# Altium PCB F407.PcbDoc (part 1 of 3)
Units mil, origin at the board's own origin, x right, y up, seen from the top; angles counter-clockwise.
Board outline 3789 x 2423 mil, 2 copper layers (Top Layer, Bottom Layer); 112 components, 163 nets, 540 pads, 276 vias.
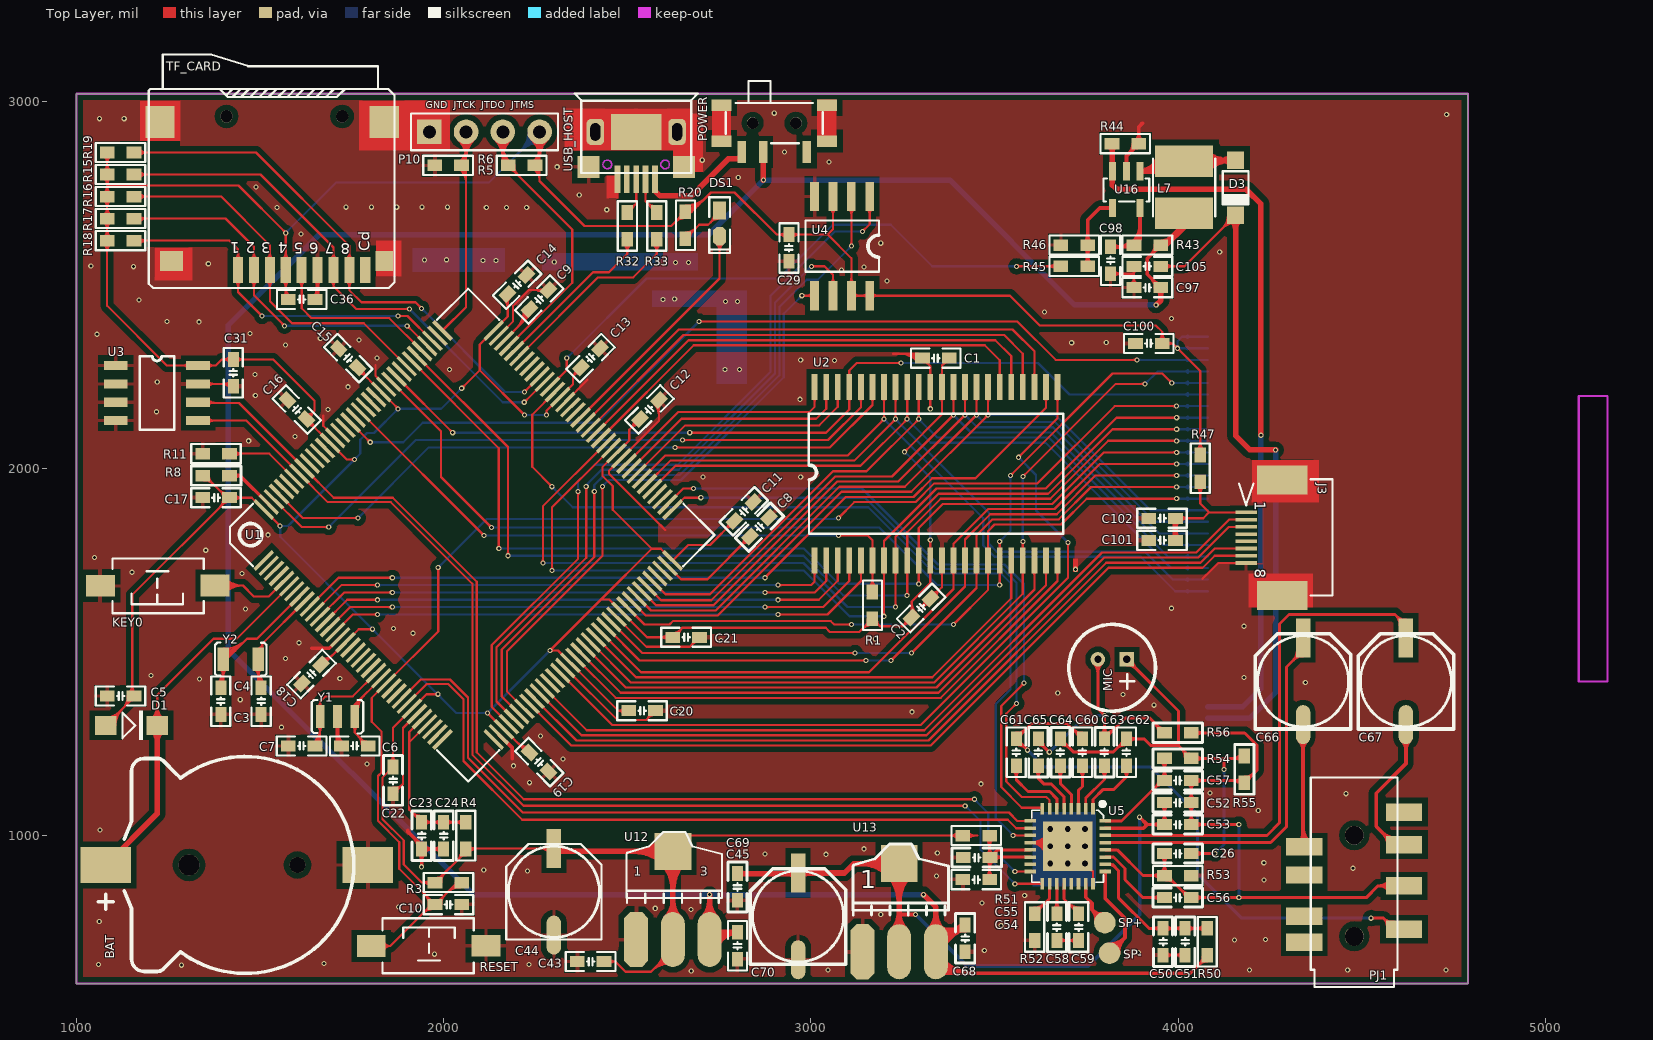
[diagram p0: Top Layer view]
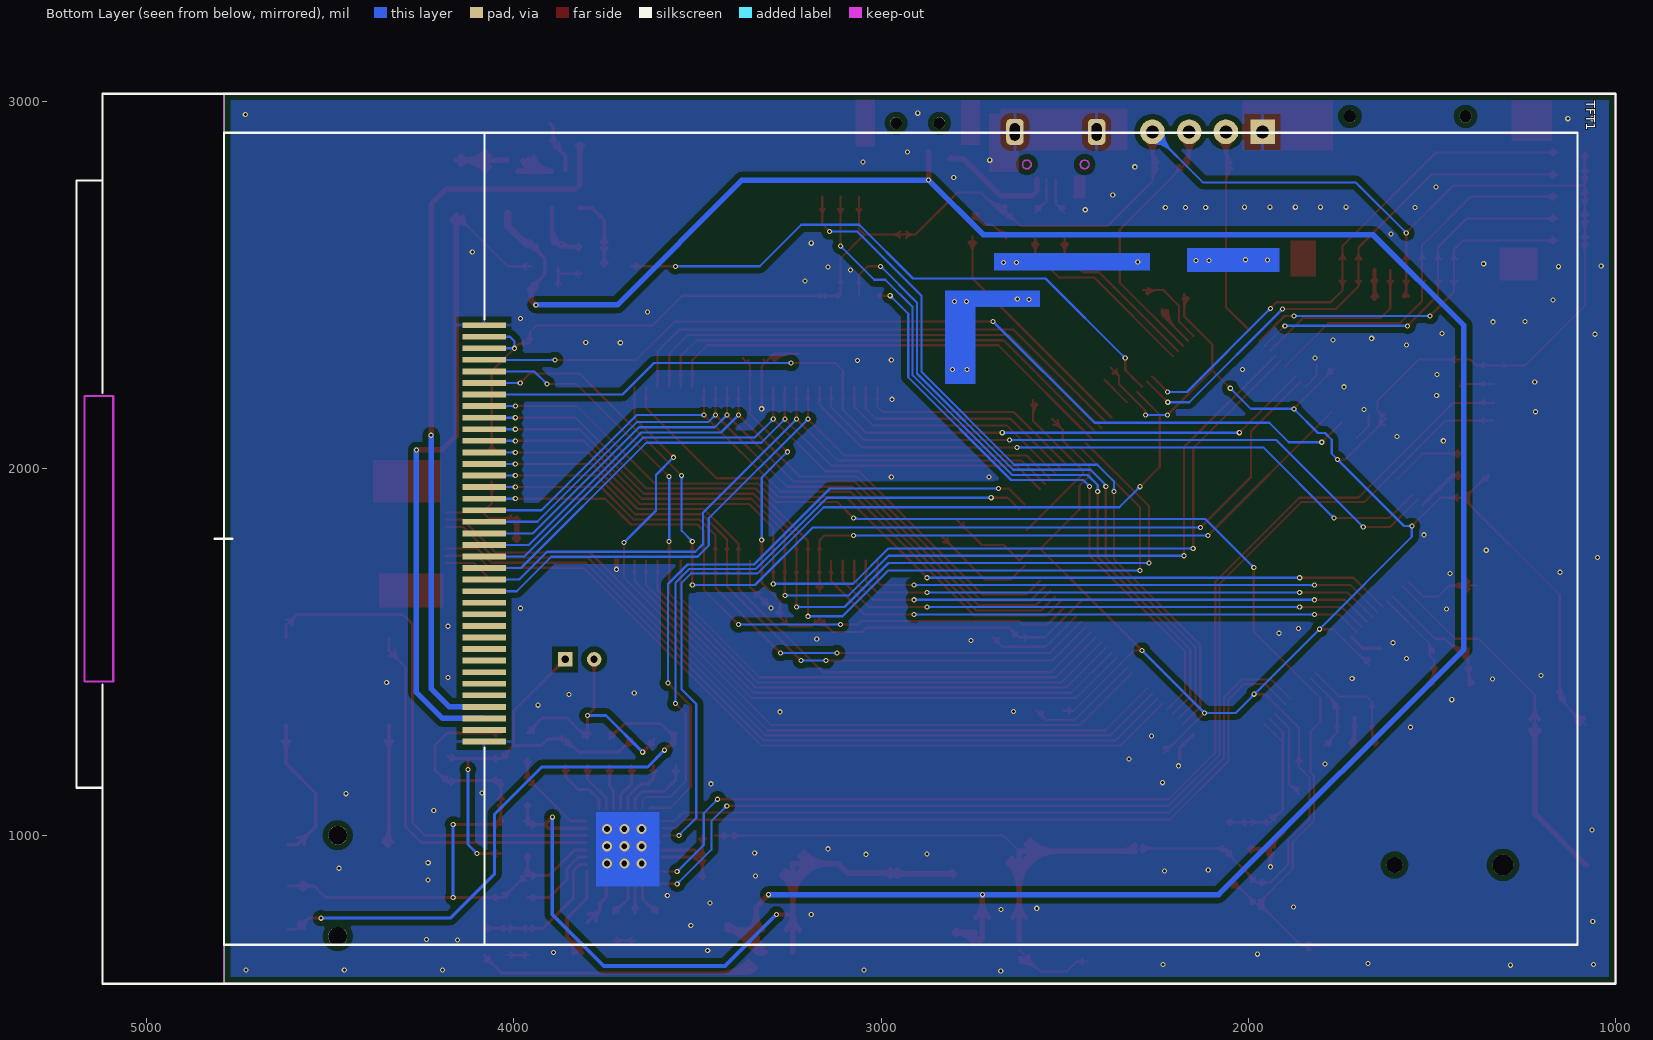
[diagram p1: Bottom Layer view, seen from below]

## Layer stack, top to bottom
Top Layer: signal copper 1.4
Dielectric: dielectric 12.6, FR-4, Dk 4.8
Bottom Layer: signal copper 1.4

## Board outline
1000,597 1000,3020 4789,3020 4789,597

## Design rules (kind name [scope] priority, off if disabled: settings)
Clearance [All] p1: gap=6
ComponentClearance [All] p1 off: gap=10 collisioncheckmode=3 verticalgap=10 showdistances=FALSE
HoleSize [All] p1: absolutevalues=TRUE maxlimit=200 minlimit=1 maxpercent=80.000 minpercent=20.000
MinimumSolderMaskSliver [All] p1: minsoldermaskwidth=0
PolygonConnect [All] p1: connectstyle=Relief reliefconductorwidth=10 reliefentries=4 polygonreliefangle="90 Angle"
RoutingVias [All] p1: holewidth=8 width=14 viastyle="Through Hole" minholewidth=8 minwidth=14 maxholewidth=48 maxwidth=54
ShortCircuit [All] p1: allowed=TRUE
SilkToSilkClearance [All] p1: silktosilkclearance=0
SilkscreenOverComponentPads [All] p1 off: minsilkscreentomaskgap=0
SolderMaskExpansion [All] p1: expansion=4
TestPointUsage FabricationTestPointUsage [All] p1: valid=0 allowmultiple=FALSE
Testpoint FabricationTestpoint [All] p1: side=3 testpointundercomponent=TRUE minsize=40 maxsize=100 preferedsize=60 minholesize=0 maxholesize=40 preferedholesize=32 testpointgrid=1 style=297 order=0123456789
Width [All] p1: maxlimit=50 minlimit=6 preferedwidth=10 toplayer_prefwidth=6 bottomlayer_prefwidth=6 minimp=50.000000 maximp=50.000000 favimp=50.000000
18 further rules are at their usual default settings.

## Components (designator, comment, footprint, x,y, rotation, side; value= is the part's Value field where it differs from the comment)
BAT "1220" CR1220_B 1460,920 r180 top
C1 "104" "C 0603_M" 3340,2300 r0 top
C2 "104" "C 0603_M" 3300,1620 r225 top
C3 "10" "C 0603_M" 1393,1366 r90 top
C4 "10" "C 0603_M" 1503,1366 r270 top
C5 "104" "C 0603_M" 1120,1380 r0 top
C6 "22" "C 0603_M" 1758,1244 r0 top
C7 "22" "C 0603_M" 1613,1244 r0 top
C8 "225" "C 0603_M" 2860,1840 r45 top
C9 "225" "C 0603_M" 2260,2460 r45 top
C10 "104" "C 0603_M" 2013,812 r180 top
C11 "104" "C 0603_M" 2817,1883 r225 top
C12 "104" "C 0603_M" 2560,2160 r225 top
C13 "104" "C 0603_M" 2400,2300 r225 top
C14 "104" "C 0603_M" 2200,2500 r225 top
C15 "104" "C 0603_M" 1740,2300 r315 top
C16 "104" "C 0603_M" 1600,2160 r315 top
C17 "104" "C 0603_M" 1380,1920 r0 top
C18 "104" "C 0603_M" 1640,1440 r45 top
C19 "104" "C 0603_M" 2260,1200 r135 top
C20 "104" "C 0603_M" 2540,1340 r180 top
C21 "104" "C 0603_M" 2660,1540 r180 top
C22 "104" "C 0603_M" 1862,1150 r90 top
C23 "104" "C 0603_M" 1940,1000 r90 top
C24 "10uF" "C 0603_M" 2000,1000 r90 top
C26 "221" "C 0603_M" 3999,951 r0 top
C29 "104" "C 0603_M" 2940,2600 r270 top
C31 "104" "C 0603_M" 1427,2260 r270 top
C36 "104" "C 0603_M" 1613.23,2460 r0 top
C43 "104" "C 0603_M" 2400,657 r0 top
C44 "220uF" "CT 6*6 - C" 2300,847 r90 top
C45 "104" "C 0603_M" 2800,700 r90 top
C50 "104" "C 0603_M" 3959,711 r90 top
C51 "10uF" "C 0603_M" 4019,711 r90 top
C52 "104" "C 0603_M" 3999,1090 r0 top
C53 "10uF" "C 0603_M" 3999,1030 r0 top
C54 "104" "C 0603_M" 3450,880 r0 top
C55 "10uF" "C 0603_M" 3451,940 r0 top
C56 "10uF" "C 0603_M" 3999,831 r180 top
C57 "10uF" "C 0603_M" 3999,1150 r180 top
C58 "104" "C 0603_M" 3669.47,751 r270 top
C59 "104" "C 0603_M" 3729,751 r270 top
C60 "1uF" "C 0603_M" 3739,1227 r90 top
C61 "1uF" "C 0603_M" 3559,1227 r90 top
C62 "1uF" "C 0603_M" 3859,1227 r90 top
C63 "1uF" "C 0603_M" 3799,1227 r90 top
C64 "1uF" "C 0603_M" 3679,1227 r90 top
C65 "1uF" "C 0603_M" 3619,1227 r90 top
C66 "220uF" "CT 6*6 - C" 4340,1420 r90 top
C67 "220uF" "CT 6*6 - C" 4620,1420 r90 top
C68 "104" "C 0603_M" 3420,720 r90 top
C69 "104" "C 0603_M" 2800,860 r90 top
C70 "220uF" "CT 6*6 - C" 2965,780 r90 top
C97 "10uF" "C 0603_M" 3916,2492 r0 top
C98 "1uF" "C 0603_M" 3816,2566.5 r90 top
C100 "104" "C 0603_M" 3920,2340 r0 top
C101 "104" "C 0603_M" 3956,1804 r0 top
C102 "10uF" "C 0603_M" 3956,1864 r0 top
C105 "1uF" "C 0603_M" 3916,2550 r180 top
D1 "1N4148" DIODE_SOP 1080,1300 r0 top
D3 "MBR0520" SOD-123 4156,2764 r90 top
DS1 "LED1" "LED 0603R" 2750.94,2667 r270 top
J3 "FPC-8P-0.5" FPC-8P 4185,1880 r270 top
KEY0 "KEY_M" "TSW SMD-3*6*2.5" 1220,1680 r180 top
L7 "4.7uH" L_SOP4 4016,2844 r270 top
MIC "MIC" MIC-6022 3860,1480 r180 top
P10 "Header 4" HDR2.54-LI-4P 2111,2916 r0 top
PJ1 "PJ393" PJ393 4480,880 r270 top
POWER "BUTTON_DIP3" MSK-12C01-07 2900,2940 r180 top
R1 "10K" "R 0603_M" 3167.46,1627 r270 top
R3 "10K" "R 0603_M" 2013,872 r180 top
R4 "10R" "R 0603_M" 2060,1000 r270 top
R5 "10K" "R 0603_M" 2212,2825 r0 top
R6 "10K" "R 0603_M" 2012,2825 r180 top
R8 "0R" "R 0603_M" 1380,1980 r0 top
R11 "10K" "R 0603_M" 1380,2040 r180 top
R15 "47K" "R 0603_M" 1120,2800 r180 top
R16 "47K" "R 0603_M" 1120,2740 r180 top
R17 "47K" "R 0603_M" 1120,2680 r180 top
R18 "47K" "R 0603_M" 1120,2620 r180 top
R19 "47K" "R 0603_M" 1120,2860 r180 top
R20 "510" "R 0603_M" 2658.22,2662 r270 top
R32 "10R" "R 0603_M" 2500,2660 r270 top
R33 "10R" "R 0603_M" 2580,2660 r270 top
R43 "0R" "R 0603_M" 3916,2608 r0 top
R44 "10R" "R 0603_M" 3856,2884 r180 top
R45 "10K" "R 0603_M" 3717,2550 r180 top
R46 "100K" "R 0603_M" 3717,2608 r180 top
R47 "10R" "R 0603_M" 4060,2000 r90 top
R50 "0R" "R 0603_M" 4079,711 r270 top
R51 "10R" "R 0603_M" 3450,1000 r180 top
R52 "10K" "R 0603_M" 3609,751 r90 top
R53 "0R" "R 0603_M" 3999,891 r180 top
R54 "680" "R 0603_M" 3999,1210 r0 top
R55 "47K" "R 0603_M" 4180,1180 r90 top
R56 "0R" "R 0603_M" 3999,1280 r180 top
RESET "KEY_M" "TSW SMD-3*6*2.5" 1960,700 r0 top
SP+ "SPK+" TP-1.5#1 3800,760 r270 bottom
SP- "SPK-" TP-1.5#2 3820,680 r90 bottom
TF_CARD "SD-MICRO-TF" SD-MICRO-TF 1440,2540 r180 top
TFT1 "TFT4.3'" TFT4.3' 5120,3020 r270 bottom locked
U1 "STM32F407ZET6" LQFP144 1510,1749 r45 top locked
U2 "IS62WV51216" TSOP44 3010,1749 r90 top locked
U3 "24C02" SOP-8 1107,2280 r0 top
U4 "W25Q128" SOIC-8 3160,2740 r270 top
U5 "WM8978" qfn32 3699,971 r270 top
U12 "AMS1117-3.3" AMS1117 2524,717 r0 top
U13 "AMS1117-3.3" AMS1117 3140,683.8 r0 top
U16 "MP3302DJ" SOT-23-5 3796,2744 r270 top
USB_HOST "J-MICRO-USB-5S" USB-AB-5S 2413,2916 r0 top
Y1 "8MHz" Y-XTAL-3215-3P 1758,1324 r180 top
Y2 "32.768K" Y-XTAL-3215-2P 1400,1480 r0 top

## Footprints (in the part's own frame and the unit in brackets; to place one, negate y for a bottom-side part, rotate by r counter-clockwise, add the part's x,y. Pads: shape width x height; smd on the part's side, far side on the other; paste and mask are expansions set on the pad)
AMS1117 [mil]
  oct 65x150 smd: 1(0.03,-0.06)
  oval 65x150 smd: 2(100.03,-0.06) 3(200.03,-0.06)
  rect 100x100 smd: 4(100.03,239.94)
  silkscreen extent -26,100 234,293
"C 0603_M" [mil] "无极性贴片电容"
  rect 40x30 smd: 1(-36.5,0) 2(36.5,0)
  silkscreen extent -67,-26 68,26, body extent -31,-16 31,16, height 32
CR1220_B [mm]
  round 1.1 hole 1.1: 0(-3.6,0)
  round 1.45 hole 1.45: 0(3.9,0)
  rect 3.5x2.5 smd: 1(9.652,0) 2(-8.458,0)
  silkscreen extent -7.5,-7.5 10.16,7.5, body extent -9.42,-7.45 10.34,7.45, height 4.05
"CT 6*6 - C" [mm] "直径6mm，高6mm"
  rect 2.7x1 smd: 1(3,0)
  oval 2.7x1 smd: 2(-3,0)
  silkscreen extent -3.3,-3.3 3.3,3.3, body extent -3.5,-3.15 3.5,3.15, height 6
DIODE_SOP [mm]
  rect 1.5x1.3 smd: 1(0,0) 2(3.556,0)
  silkscreen extent 1.14,-1.02 2.56,1.02
FPC-8P [mm]
  rect 0.25x1.5 smd: 1(0,0) 2(0.5,0) 3(1,0) 4(1.5,0) 5(2,0) 6(2.5,0) 7(3,0) 8(3.5,0)
  rect 2x3.5 smd: 9(-2.25,2.5) 10(5.75,2.5)
  silkscreen extent -2.29,-0.5 5.75,5.97
HDR2.54-LI-4P [mm] "排针，4脚"
  rect 1.7x1.7 hole 0.9: 1(-3.81,0)
  round 1.7 hole 0.9: 2(-1.27,0) 3(1.27,0) 4(3.81,0)
  silkscreen extent -5.08,-1.27 5.08,1.27, body extent -5.08,-1.27 5.08,1.27, height 8.5
L_SOP4 [mm]
  rect 2.2x4 smd: 1(0.2,0) 2(3.8,0)
  silkscreen extent 0,-2.15 4,2.15
"LED 0603R" [mil] "红色0603LED"
  rect 50x35 smd: 1(-35,0.26)
  oct 50x35 smd: 2(35,0.26)
  silkscreen extent -71,-28 81,28, body extent -31,-16 31,16, height 24
LQFP144 [mil]
  rect 70.87x10 smd: 1(-0.36,0.02) 2(-0.35,-19.66) 3(-0.35,-39.35) 4(-0.35,-59.03) 5(-0.35,-78.72) 6(-0.35,-98.4) 7(-0.35,-118.09) 8(-0.35,-137.77) 9(-0.35,-157.46) 10(-0.35,-177.14) 11(-0.35,-196.83) 12(-0.36,-216.51) 13(-0.35,-236.2) 14(-0.35,-255.88) 15(-0.35,-275.57) 16(-0.35,-295.25) 17(-0.35,-314.94) 18(-0.35,-334.62) 19(-0.35,-354.31) 20(-0.35,-373.99) 21(-0.36,-393.68) 22(-0.35,-413.36) 23(-0.35,-433.05) 24(-0.35,-452.73) 25(-0.35,-472.42) 26(-0.35,-492.1) 27(-0.35,-511.79) 28(-0.35,-531.47) 29(-0.35,-551.16) 30(-0.35,-570.84) 31(-0.35,-590.53) 32(-0.36,-610.21) 33(-0.35,-629.9) 34(-0.35,-649.58) 35(-0.35,-669.27) 36(-0.35,-688.95) 73(885.47,-688.95) 74(885.47,-669.27) 75(885.47,-649.58) 76(885.47,-629.9) 77(885.47,-610.21) 78(885.47,-590.53) 79(885.47,-570.84) 80(885.47,-551.16) 81(885.47,-531.47) 82(885.47,-511.79) 83(885.47,-492.1) 84(885.47,-472.42) 85(885.47,-452.73) 86(885.47,-433.05) 87(885.47,-413.36) 88(885.47,-393.68) 89(885.47,-373.99) 90(885.47,-354.31) 91(885.47,-334.62) 92(885.47,-314.94) 93(885.47,-295.25) 94(885.47,-275.57) 95(885.47,-255.88) 96(885.47,-236.2) 97(885.47,-216.51) 98(885.47,-196.83) 99(885.47,-177.14) 100(885.47,-157.46) 101(885.47,-137.77) 102(885.47,-118.09) 103(885.47,-98.4) 104(885.47,-78.72) 105(885.47,-59.03) 106(885.47,-39.35) 107(885.47,-19.66) 108(885.47,0.02)
  rect 10x70.87 smd: 37(98.07,-787.37) 38(117.76,-787.38) 39(137.44,-787.38) 40(157.13,-787.38) 41(176.81,-787.38) 42(196.5,-787.38) 43(216.18,-787.38) 44(235.87,-787.38) 45(255.55,-787.38) 46(275.24,-787.38) 47(294.92,-787.37) 48(314.61,-787.37) 49(334.29,-787.38) 50(353.98,-787.38) 51(373.66,-787.38) 52(393.35,-787.38) 53(413.03,-787.38) 54(432.72,-787.38) 55(452.4,-787.38) 56(472.09,-787.38) 57(491.77,-787.37) 58(511.46,-787.37) 59(531.14,-787.38) 60(550.83,-787.38) 61(570.51,-787.38) 62(590.2,-787.38) 63(609.88,-787.38) 64(629.57,-787.38) 65(649.25,-787.38) 66(668.94,-787.38) 67(688.62,-787.37) 68(708.31,-787.37) 69(727.99,-787.38) 70(747.68,-787.38) 71(767.36,-787.38) 72(787.05,-787.38) 109(787.05,98.45) 110(767.36,98.45) 111(747.68,98.45) 112(727.99,98.45) 113(708.31,98.45) 114(688.62,98.45) 115(668.94,98.45) 116(649.25,98.45) 117(629.57,98.45) 118(609.88,98.45) 119(590.2,98.45) 120(570.51,98.45) 121(550.83,98.45) 122(531.14,98.45) 123(511.46,98.45) 124(491.77,98.45) 125(472.09,98.45) 126(452.4,98.45) 127(432.72,98.45) 128(413.03,98.45) 129(393.35,98.45) 130(373.66,98.45) 131(353.98,98.45) 132(334.29,98.45) 133(314.61,98.45) 134(294.92,98.45) 135(275.24,98.45) 136(255.55,98.45) 137(235.87,98.45) 138(216.18,98.45) 139(196.5,98.45) 140(176.81,98.45) 141(157.13,98.45) 142(137.44,98.45) 143(117.76,98.45) 144(98.07,98.45)
  silkscreen extent -32,-819 917,130
MIC-6022 [mm]
  rect 1x1 hole 0.5: 1(0,0)
  round 1 hole 0.5: 2(2,0)
  silkscreen extent -1.99,-2.41 4.01,3.58
MSK-12C01-07 [mm] "6.7*2.8*1.5mm(长宽高）"
  rect 1.4x0.8 smd: 0(-3.65,-1.25) 0(-3.65,1.25) 0(3.65,-1.25) 0(3.65,1.25)
  rect 0.6x1.5 smd: 1(-2.25,1.996) 2(0.75,1.996) 3(2.25,1.996)
  round 0.8 hole 0.8: " "(-1.5,0) " "(1.5,0)
  silkscreen extent -3.35,-2.92 3.35,1.4, body extent -3.92,-2.9 3.92,2.4, height 1.5
PJ393 [mm]
  rect 1.2x2.5 smd: 1(3.429,3.429) 2(-2.271,-3.471) 3(-2.421,3.429) 4(0.429,3.429) 5(-4.671,3.429) 6(-0.321,-3.471) 7(2.529,-3.471) 8(4.329,-3.471)
  round 1.3 hole 1.3 unplated: ""(-3.071,-0.021) ""(3.929,-0.021)
  silkscreen extent -7.07,-3.02 7.43,2.98
qfn32 [mm]
  rect 0.8x0.25 smd: 1(-2.601,1.75) 2(-2.601,1.25) 3(-2.601,0.75) 4(-2.601,0.25) 5(-2.601,-0.25) 6(-2.601,-0.75) 7(-2.601,-1.25) 8(-2.601,-1.75) 17(2.601,-1.75) 18(2.601,-1.25) 19(2.601,-0.75) 20(2.601,-0.25) 21(2.601,0.25) 22(2.601,0.75) 23(2.601,1.25) 24(2.601,1.75)
  rect 0.25x0.8 smd: 9(-1.75,-2.601) 10(-1.25,-2.601) 11(-0.75,-2.601) 12(-0.25,-2.601) 13(0.25,-2.601) 14(0.75,-2.601) 15(1.25,-2.601) 16(1.75,-2.601) 25(1.75,2.601) 26(1.25,2.601) 27(0.75,2.601) 28(0.25,2.601) 29(-0.25,2.601) 30(-0.75,2.601) 31(-1.25,2.601) 32(-1.75,2.601)
  rect 3.4x3.4 smd: 33(0,0)
  silkscreen extent -3.06,-2.49 2.49,2.55
"R 0603_M" [mil] "1/10W贴片电阻"
  rect 40x31.5 smd: 1(-36.5,0) 2(36.5,0)
  silkscreen extent -68,-26 67,26, body extent -31,-16 31,16, height 16
SD-MICRO-TF [mm]
  rect 2.032x2.2 smd: 0(-10.1,-10.227) 0(5.4,-10.227)
  rect 1.2x1.4 smd: 0(-10.1,-0.627)
  round 0.85 hole 0.85 unplated: 0(-7.2,-10.627) 0(0.8,-10.627)
  rect 1.6x1.4 smd: 0(4.6,-0.627)
  rect 0.7x1.8 smd: 1(0,0) 2(-1.1,0) 3(-2.2,0) 4(-3.3,0) 5(-4.4,0) 6(-5.5,0) 7(-6.6,0) 8(-7.7,0) 9(-8.8,0)
  silkscreen extent -10.82,-14.91 6.17,1.25, body extent -10.37,-14.85 5.9,0.34, height 1.8
SOD-123 [mm]
  rect 1.2x1.2 smd: 1(1.905,0) 2(-1.905,0)
  silkscreen extent -1.14,-0.89 1.14,0.89
SOIC-8 [mil]
  rect 80x24 smd: 1(0,0) 2(0,-50.06) 3(0,-100.06) 4(0,-150.06) 5(270,-150) 6(270,-100) 7(270,-50) 8(270,0)
  silkscreen extent 65,-175 205,25
SOP-8 [mil]
  rect 65x25 smd: 1(0,0) 2(0,-50) 3(0,-100) 4(0,-150) 5(224.41,-150) 6(224.41,-100) 7(224.41,-50) 8(224.41,0)
  silkscreen extent 65,-175 159,25
SOT-23-5 [mil]
  rect 50x20 smd: 1(-65,100) 2(-65,63) 3(-65,25) 4(35,25) 5(35,100)
  silkscreen extent -65,1 18,135
TFT4.3' [mm]
  rect 0.4x3 smd: 1(16.006,26.396) 2(16.806,26.396) 3(17.606,26.396) 4(18.406,26.396) 5(19.206,26.396) 6(20.006,26.396) 7(20.806,26.396) 8(21.606,26.396) 9(22.406,26.396) 10(23.206,26.396) 11(24.006,26.396) 12(24.806,26.396) 13(25.606,26.396) 14(26.406,26.396) 15(27.206,26.396) 16(28.006,26.396) 17(28.806,26.396) 18(29.606,26.396) 19(30.406,26.396) 20(31.206,26.396) 21(32.006,26.396) 22(32.806,26.396) 23(33.606,26.396) 24(34.406,26.396) 25(35.206,26.396) 26(36.006,26.396) 27(36.806,26.396) 28(37.606,26.396) 29(38.406,26.396) 30(39.206,26.396) 31(40.006,26.396) 32(40.806,26.396) 33(41.606,26.396) 34(42.406,26.396) 35(43.206,26.396) 36(44.006,26.396) 37(44.806,26.396)
  Keep-Out Layer lines w0.152: 40.66,0.75 40.66,-1.25 20.9,-1.25 20.9,0.75 40.66,0.75
  silkscreen extent 0,-1.8 61.56,104.65
TP-1.5#1 [mm]
  round 1.5 smd far side: 1(-0.076,0)
TP-1.5#2 [mm]
  round 1.5 smd far side: 1(0,-0.178)
TSOP44 [mm]
  rect 1.8x0.4 smd: 1(-0.009,0.001) 2(-0.009,-0.799) 3(-0.009,-1.599) 4(-0.009,-2.399) 5(-0.009,-3.199) 6(-0.009,-3.999) 7(-0.009,-4.799) 8(-0.009,-5.599) 9(-0.009,-6.399) 10(-0.009,-7.199) 11(-0.009,-7.999) 12(-0.009,-8.799) 13(-0.009,-9.599) 14(-0.009,-10.399) 15(-0.009,-11.199) 16(-0.009,-11.999) 17(-0.009,-12.799) 18(-0.009,-13.599) 19(-0.009,-14.399) 20(-0.009,-15.199) 21(-0.009,-15.999) 22(-0.009,-16.799) 23(11.991,-16.799) 24(11.991,-15.999) 25(11.991,-15.199) 26(11.991,-14.399) 27(11.991,-13.599) 28(11.991,-12.799) 29(11.991,-11.999) 30(11.991,-11.199) 31(11.991,-10.399) 32(11.991,-9.599) 33(11.991,-8.799) 34(11.991,-7.999) 35(11.991,-7.199) 36(11.991,-6.399) 37(11.991,-5.599) 38(11.991,-4.799) 39(11.991,-3.999) 40(11.991,-3.199) 41(11.991,-2.399) 42(11.991,-1.599) 43(11.991,-0.799) 44(11.991,0.001)
  silkscreen extent 1.83,-17.2 10.16,0.4
"TSW SMD-3*6*2.5" [mm] "3*6*2.5mm"
  rect 2x1.5 smd: 1(-3.996,-0.02) 2(3.937,0)
  silkscreen extent -3.21,-1.9 3.09,1.9, body extent -4,-1.88 4,1.62, height 2.59
USB-AB-5S [mm]
  rect 0.4x1.9 smd: 1(4.125,-3.286) 2(3.475,-3.286) 3(2.825,-3.286) 4(2.175,-3.286) 5(1.525,-3.286)
  rrect50% 1.2x1.8 hole 0.7 slot 1.2 at 90 deg: 6(5.65,0) 7(0,0)
  rect 1.5x1.5 smd: 8(-0.477,-2.422) 9(6.127,-2.422)
  rect 3.5x2.5 smd: 9(2.825,-0.009)
  Keep-Out Layer circle w0.102: c0.825,-2.25 r0.3
  Keep-Out Layer circle w0.102: c4.825,-2.25 r0.3
  silkscreen extent -1.44,-2.85 7.09,2.66, body extent -1.12,-2.92 6.88,2.68, height 2.8
Y-XTAL-3215-2P [mm]
  rect 0.8x1.6 smd: 1(0,0) 2(2.4,0)
  silkscreen extent -0.58,-1.14 2.98,1.17, body extent -0.4,-0.75 2.8,0.75, height 0.81
Y-XTAL-3215-3P [mm]
  rect 0.6x1.6 smd: 1(0,0) 2(1.2,0) 3(2.4,0)
  silkscreen extent -0.58,-1.14 2.98,1.17, body extent -0.35,-0.75 2.85,0.75, height 0.81

## Part data
BAT: library part CR-3V, "微型电池"
C1 C2 C3 C4 C5 C6 C7 C8 C9 C10 C11 C12 C13 C14 C15 C16 C17 C18 C19 C20 C21 C22 C23 C24 C26 C29 C31 C36 C43 C45 C50 C51 C52 C53 C54 C55 C56 C57 C58 C59 C60 C61 C62 C63 C64 C65 C68 C69 C97 C98 C100 C101 C102 C105: library part C
C44 C66 C67 C70: library part CAP
D1: library part D
D3: library part D, "1N4148"
DS1: library part LED2, "Typical RED, GREEN, YELLOW, AMBER GaAs LED"
J3: library part FPC-8, "FPC-8P-0.5mm"
L7: library part L
P10: "Header, 4-Pin"
POWER: "拨动开关SS-12F44"
R1 R3 R4 R5 R6 R8 R11 R15 R16 R17 R18 R19 R20 R32 R33 R43 R44 R45 R46 R47 R50 R51 R52 R53 R54 R55 R56: library part R
SP+ SP-: library part TEST-POINT, "测试点"
TF_CARD: "SD,MICRO,TF"
TFT1: library part TFT4.3‘, "4.3寸,电容/电阻触摸,分辨率:480*800"
U1: library part STM32F103ZET6, "STM32F103ZET6"
U2: library part IS61LV51216
U3: library part 24C256
U4: library part W25X16, "W25X16;SST25VF016;MX25L1605"
U5: "24bit ADC&DAC"
U12 U13: library part AMS1117
U16: library part MP3302, "LCD背光IC"
USB_HOST: "Micro USB 5.9有柱脚长1.25加长针"
Y1 Y2: library part XTAL, "Crystal Oscillator"

## Via types
v1: diameter 14, hole 8, Top Layer to Bottom Layer, 267 vias
v2: diameter 27.56, hole 15.75, Top Layer to Bottom Layer, 9 vias

## Nets (pads, with @x,y where several pads share a name; then routed paths per layer and width w, separated by ;. In a path a pad name is that pad's centre, name@x,y a point inside that pad or via, vN(x,y) a via of type N, cw(c..) or ccw(c..) an arc to the next point about the centre after c; other vN are vias at no path point)
BEEP: U1.93
BOOT0: R11.1 U1.138 | length 279.1
  Top Layer w6: R11.1@1416.5,2040 1524.73,2040 U1.138@1593.25,1971.48 ; R11.1@1425.52,2035.23 cw(c1437.04,2023.71) 1437.04,2040 cw(c1437.04,2056.29) R11.1@1425.52,2044.77 ; R11.1@1429.77,2030.99 cw(c1451.53,2009.22) 1451.53,2040 cw(c1451.53,2070.78) R11.1@1429.77,2049.01
BOOT1: U1.48
EJ_G: C26.1 C52.2 C53.2 C56.1 C57.1 PJ1.4 R53.2 R55.1 R56.1 U5.28 | length 2671.9
  Top Layer w8: U5.28@3801.41,961.16 3833.84,961.16 3904,891 R53.2@3962.5,891 ; R53.2@3949.94,882.69 ccw(c3929.89,862.64) 3929.89,891 ccw(c3929.89,919.36) R53.2@3949.94,899.31 ; R53.2@3954.19,899.31 ccw(c3934.14,919.36) 3962.5,919.36 ccw(c3990.86,919.36) R53.2@3970.81,899.31 ; C26.1@3954.72,943.22 cw(c3935.94,924.44) 3962.5,924.44 cw(c3989.06,924.44) C26.1@3970.28,943.22 ; C26.1@3962.5,951 R53.2@3962.5,891 ; R53.2@3966.75,879.25 cw(c3966.75,845.46) 3990.64,869.36 ; R53.2@3978.5,891 ccw(c4001.43,891) 3985.22,874.78 ; 4009.16,850.84 ccw(c4030.5,872.18) C56.1@4030.5,842 ; 4012.78,847.22 cw(c3996.57,831) C56.1@4019.5,831 ; C53.2@4027.72,1037.78 ccw(c4008.94,1056.56) 4035.5,1056.56 ccw(c4062.06,1056.56) C53.2@4043.28,1037.78 ; C52.2@4027.72,1082.22 cw(c4008.94,1063.44) 4035.5,1063.44 cw(c4062.06,1063.44) C52.2@4043.28,1082.22 ; C52.2@4027.72,1097.78 ccw(c4008.94,1116.56) 4035.5,1116.56 ccw(c4062.06,1116.56) C52.2@4043.28,1097.78 ; C57.1@4027.72,1142.22 cw(c4008.94,1123.44) 4035.5,1123.44 cw(c4062.06,1123.44) C57.1@4043.28,1142.22 ; R56.1@4035.5,1280 4036.5,1279 4181,1279 4215,1245 4215,1178.5 R55.1@4180,1143.5 4173.5,1150 C57.1@4035.5,1150 C52.2@4035.5,1090 C53.2@4035.5,1030 v1(4165,1030) ; R56.1@4048.06,1271.69 cw(c4065.7,1254.05) 4065.7,1279 ; R56.1@4048.06,1288.31 ccw(c4070.53,1310.78) 4070.53,1279 ; C56.1@4048.28,823.22 cw(c4067.06,804.44) 4067.06,831 cw(c4067.06,857.56) C56.1@4048.28,838.78 ; C53.2@4048.28,1022.22 cw(c4067.06,1003.44) 4067.06,1030 cw(c4067.06,1056.56) C53.2@4048.28,1037.78 ; C57.1@4048.28,1142.22 cw(c4067.06,1123.44) 4067.06,1150 cw(c4067.06,1176.56) C57.1@4048.28,1157.78 ; 4146.21,1150 cw(c4146.21,1113.96) R55.1@4171.69,1139.44 ; 4157.06,1150 ccw(c4157.06,1170.69) R55.1@4171.69,1156.06 ; v1@4162.88,828.88 ccw(c4157.76,823.76) 4157.76,831 ccw(c4157.76,838.24) v1@4162.88,833.12 ; v1@4162.88,1027.88 ccw(c4157.76,1022.76) 4157.76,1030 ccw(c4157.76,1037.24) v1@4162.88,1032.12 ; v1@4167.12,828.88 cw(c4172.24,823.76) 4172.24,831 cw(c4172.24,838.24) v1@4167.12,833.12 ; R55.1@4180,1151.5 ccw(c4180,1170.81) R55.1@4193.66,1157.16 ; R55.1@4180,1159.5 ccw(c4180,1198.13) 4207.31,1170.81 ; R55.1@4191.75,1147.75 cw(c4209.84,1147.75) 4197.05,1160.55 ; PJ1.4@4575.1,849.69 ccw(c4544.11,820.64) 4544.11,863.11 ; PJ1.4@4575.1,876.53 cw(c4544.11,905.58) 4544.11,863.11 ; PJ1.4@4580.93,855.16 ccw(c4562.58,837.95) 4562.58,863.11 ccw(c4562.58,888.27) PJ1.4@4580.93,871.06 ; PJ1.4@4615,863.11 4544.11,863.11 ; R53.2@3962.5,891 3969,891 4029,831 C56.1@4035.5,831 v1(4165,831) 4512,831 4544.11,863.11